# Altium PCB 3-as-manufactured.PcbDoc (part 13 of 16)
Units mil, origin at the board's own origin, x right, y up, seen from the top; angles counter-clockwise.
Board outline 4130.55 x 4250 mil, 8 copper layers (L1_TOP, L2_GND, L3_INT, L4_PWR, L5_PWR, L6_INT, L7_GND, L8_BOT), stack 61 mil thick; 584 components, 489 nets, 2229 pads, 1894 vias.
Unrouted connection lines stored in the file: 4.
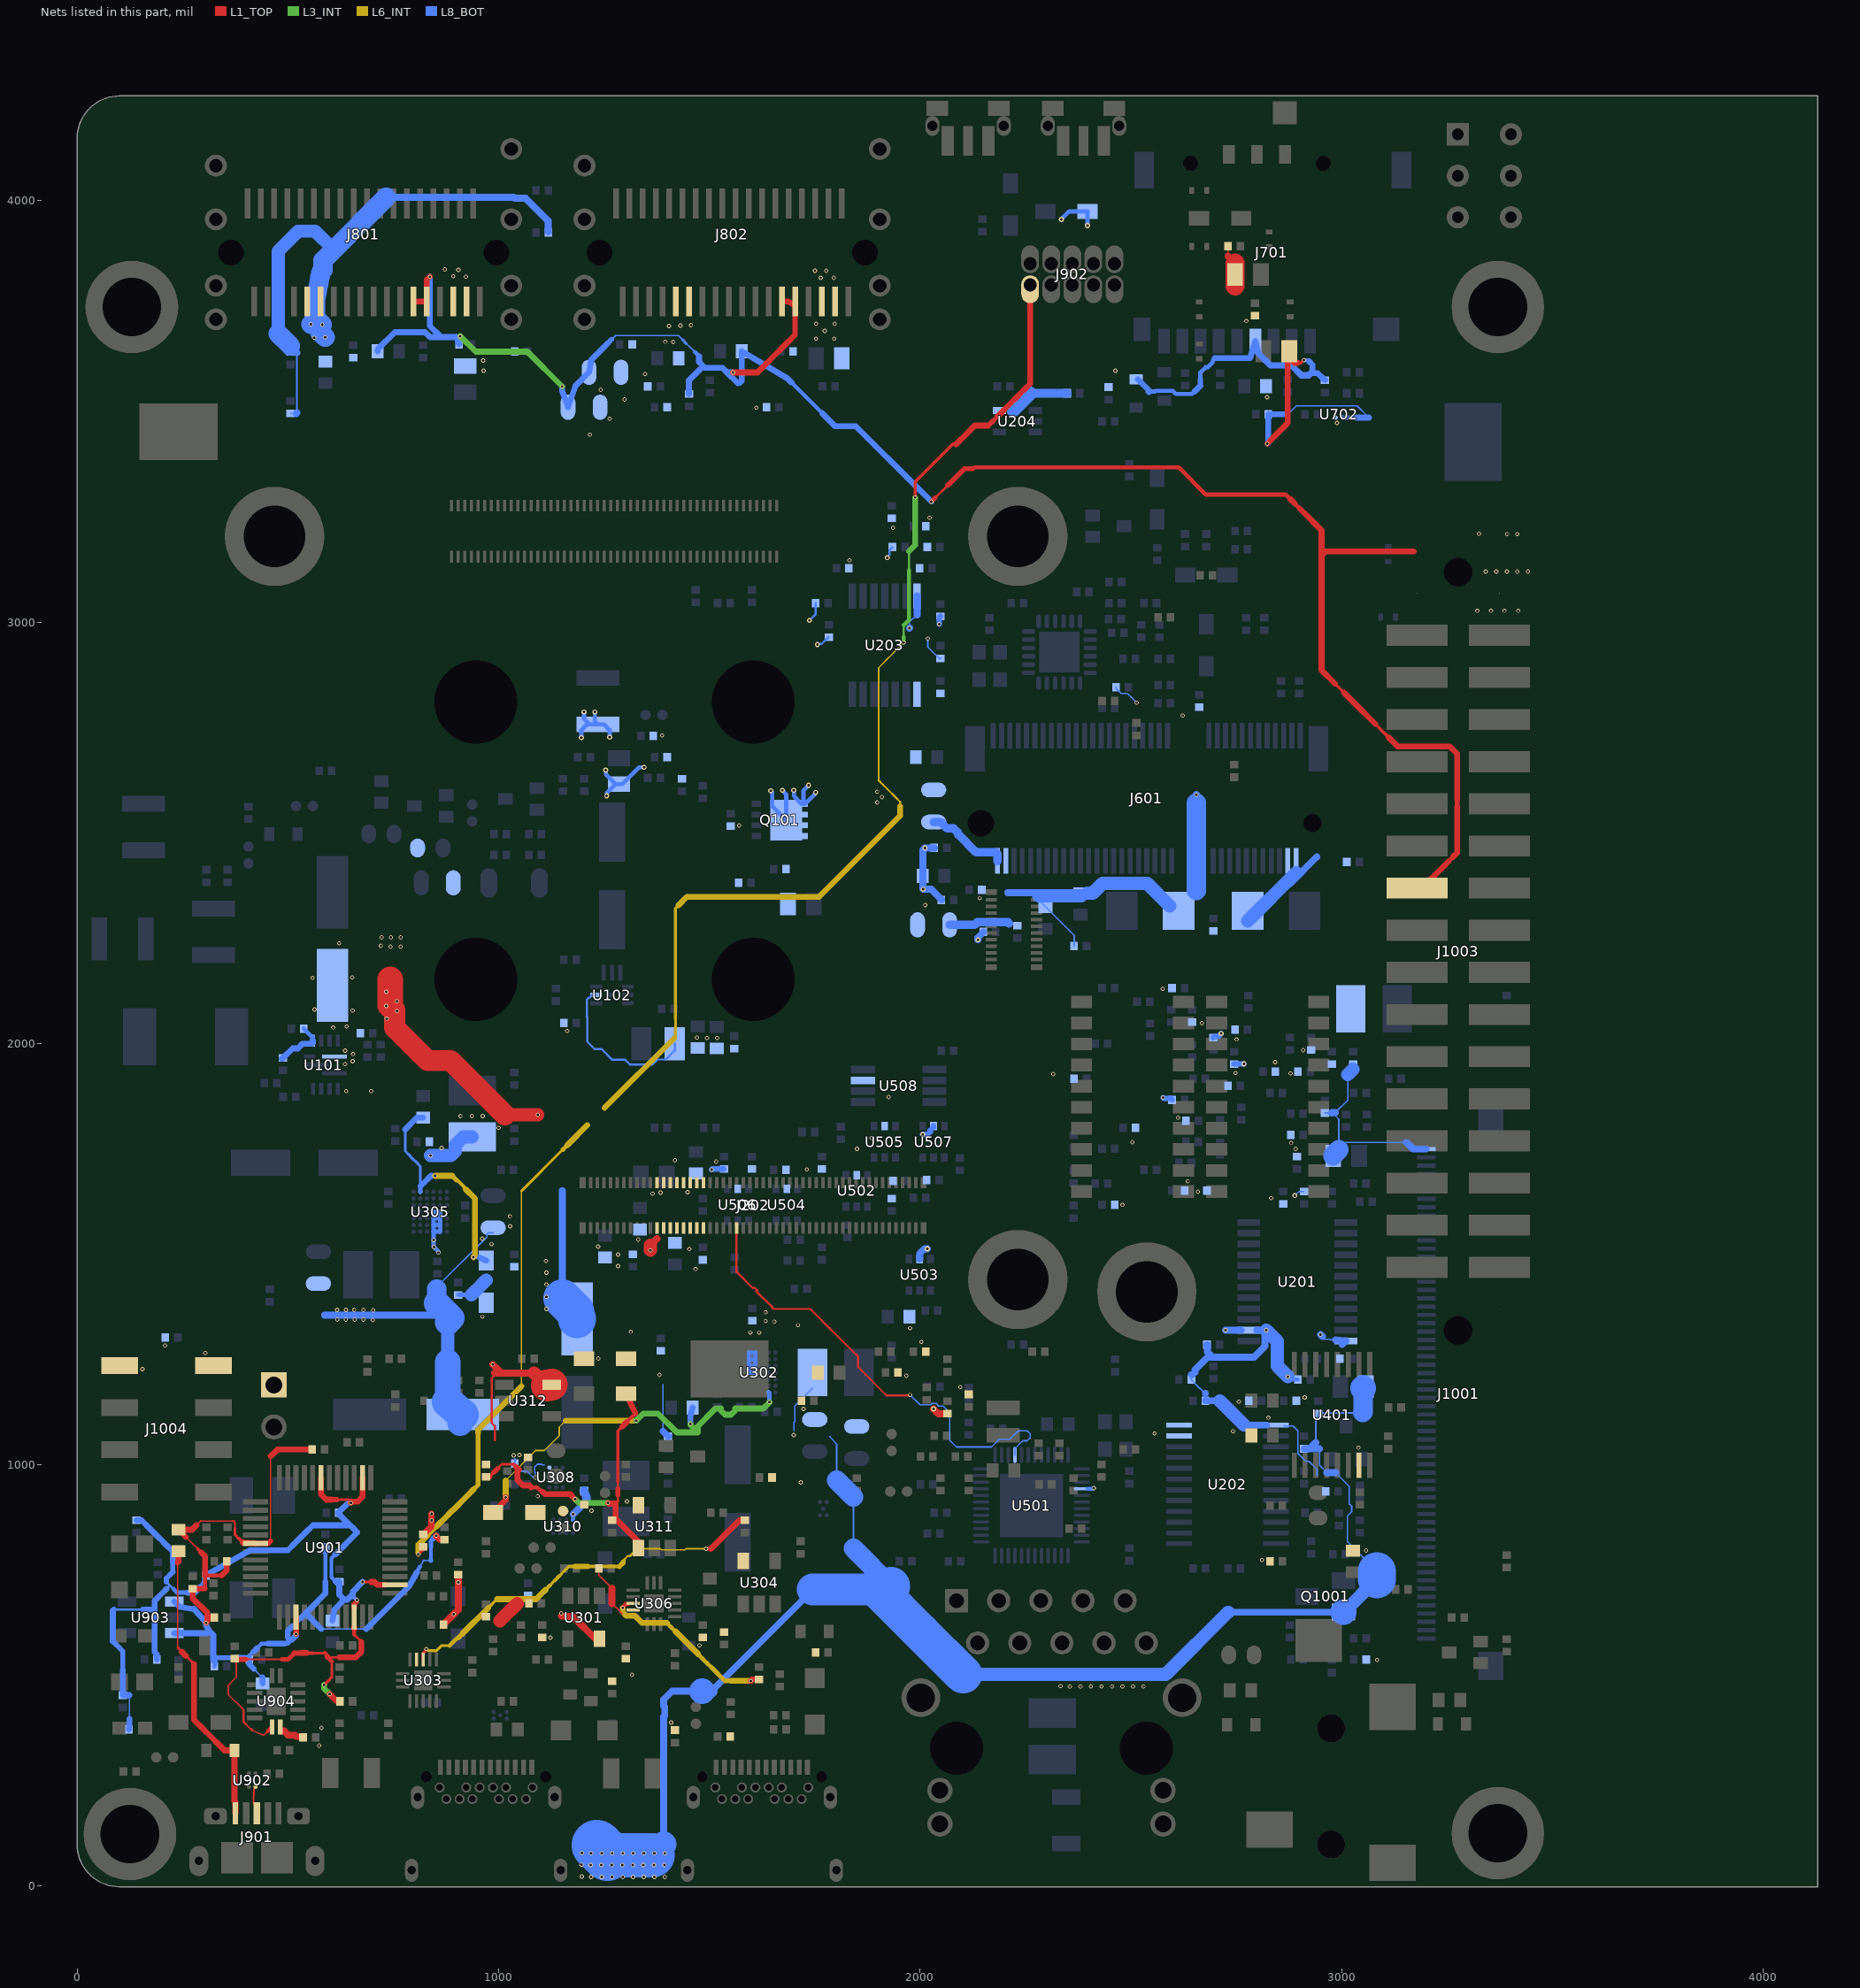
[diagram p19: the nets of this part, all layers, seen from the top]

## Via types
v1: diameter 10, hole 5.9, L1_TOP to L8_BOT, tented both sides, 1703 vias
v2: diameter 12, hole 5.9, L1_TOP to L8_BOT, tented both sides, 110 vias
v3: diameter 10, hole 6, L1_TOP to L8_BOT, tented both sides, 69 vias
v4: diameter 12, hole 6, L1_TOP to L8_BOT, tented both sides, 12 vias

## Nets (pads, with @x,y where several pads share a name; then routed paths per layer and width w, separated by ;. In a path a pad name is that pad's centre, name@x,y a point inside that pad or via, vN(x,y) a via of type N, cw(c..) or ccw(c..) an arc to the next point about the centre after c; other vN are vias at no path point) (continued)
USB_DBG_DP: J901.3 U902.A1 | length 66.4
  L1_TOP w3.5: 417.96,195.9 417.96,212.88 419.13,214.05 419.13,230.74 422.76,234.36 U902.A1@422.75,236.04 ; J901.3@418.98,196.18 422.06,186.21 J901.3@426.13,173.02
USB_LD_NFLT1: R340.1 U303.11 | length 919.6
  L1_TOP w7.92: U303.11@820.77,537.74 820.77,553.84 827.84,560.91 v1(827.84,563.19)
  L1_TOP w8.94: v1(1492.09,801) 1503.17,801
  L1_TOP w14.05: 1503.17,801 1570.69,868.52 R340.1@1583.84,868.53
  L6_INT w3.5: 1328.28,801 1383.35,801 1386.11,798.25 1441.19,798.25 1443.94,801 v1(1492.09,801)
  L6_INT w4.85: 1294.96,769.38 1298.54,772.95 1298.54,776.26 1305.74,783.47 1307.19,783.47 ; 1317.73,790.46 1328.28,801
  L6_INT w5.87: 1307.19,783.47 1310.74,783.47 1317.73,790.46
  L6_INT w6.9: v1(827.84,563.19) 828.68,563.19 832.99,558.88 852.02,558.88 863.98,570.84 883.02,570.84 ; 985.46,671.07 995.7,681.31 ; 1121.75,714.54 1132.83,725.61 ; 1143.9,736.69 1154.97,747.76
  L6_INT w7.92: 975.21,660.83 985.46,671.07 ; 1154.97,747.76 1166.05,758.83 1181.05,758.83 ; 1211.07,758.83 1286.11,758.83
  L6_INT w8.94: 1110.68,703.47 1121.75,714.54 ; 1132.83,725.61 1143.9,736.69
  L6_INT w9.96: 883.02,570.84 901.29,589.12 903.5,589.12
  L6_INT w12.01: 903.5,589.12 913.75,599.36 ; 1286.11,758.83 1294.96,767.68 1294.96,769.38
  L6_INT w13.03: 1181.05,758.83 1211.07,758.83
  L6_INT w14.05: 913.75,599.36 975.21,660.83 ; 995.7,681.31 1088.52,681.31 1099.6,692.39 ; 1099.61,692.39 1110.68,703.47
USB_LD_NFLT2: R341.1 U306.11 | length 420.6
  L1_TOP w9.96: v1(1294.06,660.63) 1294.07,661.78 1302.46,670.16 U306.11@1307.96,670.16
  L1_TOP w14.05: v1(1597.93,487.34) 1600.97,490.37 R341.1@1617.01,490.38
  L6_INT w9.96: 1398.96,625 1408.9,615.06 1419.55,604.41 ; 1472.76,551.2 1483.41,540.55 1494.05,529.91 1504.69,519.27
  L6_INT w10.99: 1504.69,519.27 1536.62,487.34 1551.95,487.34
  L6_INT w14.05: v1(1294.06,660.63) 1294.06,650.23 1302.29,642 1322.89,642 1339.89,625 1398.96,625 ; 1419.55,604.41 1472.76,551.2 ; 1551.95,487.34 v1(1597.93,487.34)
VBUS2_TH: C341.1 D311.C R343.2 U311.1 | length 804.9
  L1_TOP w5.87: 997.38,991.68 1007.31,1001.61 ; 1282.7,913.4 1282.7,928.61 ; 1282.7,943.83 1282.7,959.04
  L1_TOP w6.9: R343.2@977.52,971.83 987.45,981.76 ; 1007.31,1001.61 1034.55,1001.61 ; 1277.25,907.96 1282.7,913.4
  L1_TOP w7.92: 1282.7,959.04 1282.7,1080.74 1292.96,1091 ; 1313.48,1111.52 1323.74,1121.78
  L1_TOP w8.94: 1034.55,1001.61 1041.11,995.05 ; 1303.22,1101.26 1313.48,1111.52
  L1_TOP w9.96: 1076.75,946.53 1090.68,946.53 1098.61,938.6 1101.53,938.6 1105.11,935.02
  L1_TOP w10.99: 1173.87,925.63 v1(1180.91,918.59) ; 1282.7,928.61 1282.7,943.83
  L1_TOP w12.01: 987.45,981.76 997.38,991.68
  L1_TOP w13.03: 1041.11,995.05 1047.68,988.48 ; v1(1259.1,909.52) v1@1260.66,907.96
  L1_TOP w14.05: R343.2@970.06,971.82 R343.2@977.52,971.83 ; 1047.68,988.48 1043.95,984.75 1043.95,964.79 1057.71,951.03 1072.25,951.03 1076.75,946.53 ; 1105.11,935.02 1109.27,930.86 1168.64,930.86 1173.87,925.63 ; v1@1260.66,907.96 1277.25,907.96 1277.25,877.12 C341.1@1268.65,868.53 1280.82,868.52 1331.69,817.66 U311.1@1331.69,802.55 ; 1292.96,1091 1303.22,1101.26 ; D311.C@1302.07,1169.2 1323.74,1121.78
  L3_INT w14.05: v1(1180.91,918.59) 1189.99,909.52 v1(1259.1,909.52)
VBUS_DBG: J901.1 L901.1 TVS901.2 | length 693.5
  L1_TOP w3.5: 237.76,566.17 237.76,674.84 237.76,767.98
  L1_TOP w5.87: 237.76,566.17 247.71,556.22 ; 257.67,546.26 267.62,536.31 276.77,527.16
  L1_TOP w13.03: 298.09,373.6 318.61,353.08 328.86,342.82
  L1_TOP w14.05: 237.76,767.98 240.16,770.38 L901.1@240.16,794.98 ; 247.71,556.22 257.67,546.26 ; 276.77,527.16 276.77,394.92 298.09,373.6 ; 328.86,342.82 349.38,322.3 TVS901.2@372.82,322.3 372.83,201.66 374.96,199.53 J901.1@374.95,173.02
VBUS_EXT: C1001.1 C1002.1 J1001.1 R1001.2 R1027.2 R1028.2 | length 476.2
  L8_BOT w3.5: C1002.1@2960.67,1835.1 2975.87,1835.1 ; 2977.25,1836.47 2993.37,1820.34 2993.37,1771.02 ; 2985.4,1836.47 3014.57,1865.64 3014.57,1926.3 ; R1001.2@2993.37,1747.92 2993.37,1771.02 ; 3153.87,1765.23 2999.15,1765.23 2993.37,1771.02
  L8_BOT w16.55: 2975.87,1835.1 2977.24,1836.47 2985.4,1836.47 ; 3153.87,1765.23 3169.62,1749.49 J1001.1@3200.73,1749.5
  L8_BOT w31.31: 3014.57,1926.3 3027.05,1938.78
  L8_BOT w46.08: R1001.2@2980.08,1733.43 2980.72,1735.27 R1001.2@2993.37,1747.92
VBUS_IN: C101.1 C105.1 C304.1 C305.1 C1004.1 J101.1 Q1001.2 R101.1 R137.1 R315.2 R316.2 R323.2 R325.2 R1029.1 R1034.1 U101.1 | length 5349.3
  L1_TOP w31.31: 1014.16,1830.84 v1(1092.56,1830.84)
  L1_TOP w50: 742.3,2090.7 752.85,2080.15 752.85,2037.87 831.05,1959.67 885.33,1959.67 1014.16,1830.84
  L1_TOP w60.85: 742.3,2090.7 742.3,2100 742.3,2152.38
  L8_BOT w3.5: 853.01,1416.79 853.01,1422.37 971.42,1540.79 971.42,1548.29 973.56,1550.43 R323.2@986.65,1550.43 ; 1785.94,1066.54 1801.71,1049.41 1801.71,963.75 ; 1841.54,801.87 1841.54,923.92 ; R1029.1@2911.32,1038.1 R1029.1@2910.92,1038.23 2929.36,1043.77 ; 2938.88,1053.3 2938.88,1105.54 2944.09,1110.75 2944.09,1121.24 2946.08,1123.22 3049.01,1123.22 3049.65,1123.87 ; 2947.43,1038.1 2947.43,998.99 2964.96,981.46 ; 2985.61,981.45 2985.79,981.45 3018.24,948.99 3018.24,907.74 3023.62,902.37 3023.62,888.64 3013.57,878.6 3013.57,817.67 3083.39,747.84
  L8_BOT w16.55: 586.53,1355.58 617,1355.58 679,1355.58 881.13,1355.58 ; C305.1@1150.44,1395.14 1150.44,1650.87 ; 1391.45,100.02 1391.45,402.41 1393.78,404.74 1393.78,425.26 1391.45,427.59 1391.45,443.21 1410.79,462.56 1483,462.56 ; 1503.88,462.56 1745.41,704.09 ; 2730.47,650.36 Q1001.2@3004.18,650.36 ; R1029.1@2911.32,1038.1 2947.43,1038.1 ; 2929.36,1043.77 2938.88,1053.3 ; 2964.96,981.46 2985.61,981.46
  L8_BOT w31.31: 878.74,1244 878.74,1338.96 ; 1483,462.56 1503.88,462.56 ; 2101.57,502.83 2582.94,502.83 2730.47,650.36 ; Q1001.2@3005.29,650.36 3083.39,728.46
  L8_BOT w46.08: 853.01,1383.69 853.01,1416.79 ; 1801.71,963.75 1841.54,923.92 ; 1841.54,801.87 1931.16,712.25 ; 3049.65,1123.87 3051.02,1125.23 R1034.1@3051.02,1181.77
  L8_BOT w60.85: 853.01,1383.69 881.13,1355.58 888.25,1348.46 878.75,1338.96 ; C304.1@878.74,1149.03 878.74,1244 ; C304.1@907.86,1099.02 C304.1@914.57,1119.4 ; 1364.35,72.92 1391.45,100.02 ; Q1001.2@3004.21,650.35 Q1001.2@3005.29,650.36
  L8_BOT w75.61: C304.1@878.74,1149.03 C304.1@914.57,1119.4 ; 1745.41,704.09 1900.32,704.09 1923.01,704.09
  L8_BOT w90.38: C305.1@1150.44,1395.14 1180.86,1364.71 C305.1@1185.71,1346 ; 1900.32,704.09 2000.94,603.46 2101.57,502.83 ; 1923.01,704.09 1931.16,712.24 ; 3083.39,728.46 3083.39,747.84
  L8_BOT w105.14: 1257.6,72.92 1293,72.92 1294,72.92 1343,72.92 1364.35,72.92
  L8_BOT w119.91: 1232.79,97.73 1248.26,82.26 1249.26,81.26 1257.6,72.92
  other v1: 1219,22 1244,22 1269,22 1294,22 1319,22 1344,22 1369,22 1394,22 1197,23 1218,50 1243,50 1268,50 1293,50 1318,50 1343,50 1368,50 1393,50 1196,51 1219,78 1244,78 1269,78 1294,78 1319,78 1344,78 1369,78 1394,78 1197,79 2355,474 2380,474 2405,474 2430,474 2455,474 2480,474 2505,474 2530,474 2333,475 701,1344 617,1345 637,1345 658,1345 679,1345 702,1367 616.58,1368.12 637.58,1368.12 657,1368 679,1368 1113,1370 1113,1399 1113,1428 1113,1456 1112,1484 638,1887 697,1887 635,1951 653,1958 654,1975 635,1983 607,2038 639.11,2040.31 734,2059 758,2077 653.26,2078.26 562.96,2080.96 733,2089 758,2100 733,2123 558,2156 652,2157 743,2230 767,2230 720,2232 621.09,2237.64 721.77,2252.13 744,2252 767,2252
  other v3: 983,1524 961,1537 1027.08,1566.44 1026.51,1589.77
VBUS_USB_DBG: C901.1 C903.1 C905.1 C910.1 C911.1 C912.1 L901.2 R904.1 R924.1 R926.1 U901.3 U901.42 U903.1 U903.3 | length 2348.7
  L1_TOP w3.5: 292.67,866.77 370.16,866.77 ; 458.6,819.02 458.6,917.63 458.6,1020.7
  L1_TOP w3.83: 257.82,828.21 284.95,801.08
  L1_TOP w4.85: 282.37,856.47 292.67,866.77 ; 370.16,866.77 373.91,863.02 373.91,848.5
  L1_TOP w5.87: 373.91,833.97 373.91,848.5
  L1_TOP w6.9: 373.91,833.97 383.05,824.83
  L1_TOP w7.92: 284.95,801.08 294.09,791.94 ; 383.05,824.83 392.2,815.68
  L1_TOP w8.94: 303.24,737.44 342.04,737.44
  L1_TOP w9.96: 303.24,706.76 303.24,737.44
  L1_TOP w12.01: 302.68,706.2 303.24,706.76 ; U901.42@434.18,813.68 453.27,813.68 458.6,819.02
  L1_TOP w13.03: L901.2@248.99,837.04 257.82,828.21 ; 288.12,706.2 302.68,706.2 ; U901.42@422.4,813.69 U901.42@434.18,813.68
  L1_TOP w14.05: L901.2@248.99,837.04 240.16,845.87 L901.2@240.16,846.16 272.06,846.16 282.37,856.47 ; 288.12,706.2 C903.1@273.34,706.2 273.35,683.74 308.54,648.55 308.54,641.06 ; 294.09,791.94 303.24,782.79 303.24,737.44 ; v1(305.66,625.15) 308.54,628.02 308.54,641.06 ; C901.1@324.94,637.95 311.64,637.95 308.54,641.06 ; 342.05,737.44 354.47,749.86 R926.1@354.46,770.76 ; 392.2,815.68 392.4,815.68 U901.42@422.4,813.69 ; 458.6,1020.7 474.28,1036.38 R904.1@557.19,1036.38 ; v1@518.96,598.84 U901.3@518.96,638.35 ; v1(851.35,831.81) 851.35,829.42 858.35,822.42 R924.1@870.53,822.41
  L8_BOT w3.5: 578.9,610.3 624.11,610.3 624.17,610.36 658.89,610.36 658.95,610.3 685.69,610.3
  L8_BOT w3.83: 418.33,515.81 438.88,495.26 ; 812.91,758.22 820.38,771.54 ; 822.08,773.24 838.36,773.24
  L8_BOT w4.85: 820.38,771.54 822.08,773.24
  L8_BOT w8.94: C910.1@407.33,546.32 417.06,556.06 ; 426.8,565.79 436.53,575.53 452.07,575.53 ; 588.55,722.45 588.55,791.9 ; 838.7,773.58 838.7,803.86
  L8_BOT w9.96: C905.1@324.94,521.74 328.06,532.13 326.06,532.13 ; 491.29,575.53 499.42,575.53 ; 499.42,590.53 499.42,575.53 ; 509.2,585.31 499.42,575.53 ; 520.48,626.59 531.01,637.12 ; 805.44,744.9 812.91,758.22 ; 838.7,803.86 838.7,819.16 845.02,825.48
  L8_BOT w10.99: C910.1@407.33,546.32 C910.1@407.89,538.35 ; 509.95,616.06 520.48,626.59
  L8_BOT w12.01: 329.08,542.16 370.2,542.16 ; 838.36,773.24 838.7,773.58
  L8_BOT w13.03: 383.9,542.16 397.61,542.16 C910.1@407.88,538.35 ; 407.89,526.25 418.33,515.81 ; 417.06,556.06 426.8,565.79
  L8_BOT w14.05: U903.3@229.91,600.55 306.91,600.55 312.65,606.3 ; U903.1@229.91,675.35 242.4,662.88 276.79,658 v1@302.65,629.04 ; v1(305.66,625.15) v1@302.98,627.83 ; 322.55,535.63 322.55,596.39 312.65,606.3 ; 326.06,532.13 322.56,535.63 329.08,542.16 ; 370.2,542.16 383.9,542.16 ; 407.89,526.25 C910.1@407.89,538.35 ; 438.88,495.26 439.21,494.93 C912.1@439.23,480.92 ; 452.07,575.53 491.29,575.53 ; 499.42,590.53 499.42,605.53 509.95,616.06 ; 509.2,585.31 518.98,595.09 v1(518.98,598.82) ; 531.01,637.12 541.54,647.65 ; 578.9,610.3 541.54,647.65 ; 588.55,722.45 588.55,694.66 554.12,660.24 541.54,647.65 ; 588.55,791.9 C911.1@588.52,805.81 ; 685.69,610.3 786.49,711.09 790.5,718.26 797.97,731.58 805.44,744.9 ; 845.02,825.48 v1(851.35,831.81) ; v1@302.65,629.04 v1@302.98,627.83 ; v1@302.65,629.04 302.65,628.16 v1@302.98,627.83 ; v1@302.98,627.83 303.87,624.64 305.36,619.31 306.78,616.99 312.65,606.3
VCC: J902.1 R920.2 | length 3819.4
  L1_TOP w5.87: v1(809.18,787.17) 814.96,792.95 R920.2@820.67,798.66
  L1_TOP w7.92: v1(1988,3295.82) 1988,3333 2015,3360 2077.26,3422.26 2085.26,3422.26
  L1_TOP w9.96: R920.2@820.67,798.66 R920.2@820.67,805.59 ; 2172.63,3477.47 2183.67,3488.51
  L1_TOP w12.01: 2161.59,3466.43 2172.63,3477.47
  L1_TOP w14.05: R920.2@820.67,805.59 R920.2@820.76,805.81 ; 2085.26,3422.26 2113,3450 2129.43,3466.43 2161.59,3466.43 ; 2183.67,3488.51 2216.8,3521.64 2227.84,3532.68 2238.88,3543.72 2249.92,3554.76 2260.96,3565.81 J902.1@2260.96,3790.18
  L3_INT w4.85: 1960.95,2965.37 1960.95,2992.94 ; 1973.37,3123.71 1973.37,3168.09
  L3_INT w8.94: v1(1960.95,2951.71) 1960.95,2965.37
  L3_INT w9.96: 1960.95,2992.94 1967.16,2999.15 1973.37,3005.37 1973.37,3123.71
  L3_INT w13.03: 1987.86,3229.78 1987.86,3261.24
  L3_INT w14.05: 1973.37,3168.09 1987.86,3182.58 1987.86,3229.78 ; 1987.86,3261.24 1987.86,3292.86 1988,3293 v1(1988,3295.82)
  L6_INT w3.5: 1053.54,1186.56 1053.54,1649.83 ; 1901.28,2624.58 1901.28,2891.91 1911.22,2901.85 1921.17,2911.8 1931.11,2921.74 1941.06,2931.69 1951,2941.63 1960.95,2951.58 v1(1960.95,2951.71)
  L6_INT w4.85: 1901.28,2624.58 1911.5,2614.36 1921.72,2604.14 1942.16,2583.7 1952.38,2573.48 1952.38,2562.56
  L6_INT w5.87: 1053.54,1649.83 1152.34,1748.62
  L6_INT w6.9: 1419.1,2038.32 1419.62,2038.83 1419.62,2057.89 1419.1,2058.4 1419.1,2068.89 ; 1419.1,2298.14 1419.1,2321.05 1426.76,2328.7
  L6_INT w7.92: 1415.78,2012.06 1419.1,2015.39 1419.1,2038.32 ; 1419.1,2068.89 1419.1,2298.14
  L6_INT w9.96: v1(809.18,787.17) v1@809.18,791.06
  L6_INT w10.99: 831,832.45 841.9,843.35 852.8,854.25 ; 940.01,941.46 950.91,952.36 950.91,1077.24 ; 1152.34,1748.62 1163.31,1759.59
  L6_INT w14.05: v1@809.19,791.07 809.19,810.64 831,832.45 ; 852.8,854.25 874.6,876.05 885.5,886.95 896.4,897.85 918.21,919.66 929.11,930.56 940.01,941.46 ; 950.91,1077.24 950.91,1083.92 1053.54,1186.56 ; 1163.31,1759.59 1209.86,1806.14 ; 1251.13,1847.41 1415.78,2012.06 ; 1426.76,2328.7 1446.11,2348.05 1759.69,2348.05 1952.38,2540.75 1952.38,2562.56
VCC_3V3_FT: C906.1 C913.1 C914.1 C915.1 R902.2 R903.2 R915.2 R916.2 R927.2 R928.2 U901.10 U901.14 U901.26 U901.31 U904.14 | length 2843.4
  L1_TOP w3.5: C915.1@377.1,532.62 377.1,496.04 358.25,477.19 358.25,454.8 394.02,419.03 394.02,417.45
  L1_TOP w3.83: 399.1,538.6 485.76,538.6 ; 415.16,369.79 441.76,357.82 451.7,367.77
  L1_TOP w4.85: 394.02,417.45 394.02,390.37 411.32,373.07 411.88,373.07 414.03,370.92 ; 594.16,543.16 620.92,543.16 ; 661.83,912.7 665.93,912.7 671.43,912.7 671.43,919.21
  L1_TOP w5.87: 414.03,370.92 415.16,369.79 ; 603.61,508.28 603.61,520.99 ; 615.68,917.37 628.22,917.37 ; 656.85,597.14 673.85,580.14
  L1_TOP w6.9: 558.41,553.38 587.36,553.38 ; 594.53,486.5 603.61,495.58 603.61,508.28 ; 603.61,520.99 603.61,533.7 ; 628.22,917.37 636.76,917.41 645.3,917.46 650.32,916.55 654.41,915.8 664.71,913.93 ; v1(676.56,722.16) 696.48,722.16
  L1_TOP w7.92: 543.93,553.38 558.41,553.38 ; v1(585.46,477.42) 594.53,486.5 ; v1@663.2,675 v1(663.2,678.88)
  L1_TOP w8.94: 451.7,367.77 U904.14@461.65,377.71
  L1_TOP w9.96: 587.36,553.38 593,547.74 593,544.31 ; 594.16,543.16 603.61,533.7 ; 656.85,597.14 U901.10@656.85,610.88
  L1_TOP w10.99: 485.76,538.6 500.2,538.6 514.98,553.38 ; 656.85,668.65 v1@663.2,675
  L1_TOP w12.01: 603.14,917.37 615.68,917.37
  L1_TOP w13.03: C915.1@376.36,538.6 378.13,538.6 399.1,538.6 ; 514.98,553.38 529.45,553.38 ; 593,544.31 594.16,543.16 ; v1@652.22,912.7 661.83,912.7 ; 664.71,913.93 665.93,912.7 ; 696.48,722.16 696.89,722.16
  L1_TOP w14.05: C915.1@372.87,540.18 C915.1@378.13,538.6 ; 529.45,553.38 543.93,553.38 ; U901.31@578.05,969.34 578.05,929.91 590.59,917.37 603.14,917.37 ; v1@598.37,456.24 615.87,438.74 R927.2@623.52,438.74 ; 620.92,543.16 660.36,543.16 673.85,556.66 673.85,580.14 ; v1(649.04,909.52) v1@652.22,912.7 ; U901.10@656.85,610.88 U901.10@656.85,615.36 ; U901.10@656.85,661.31 656.85,668.65 ; 671.43,919.21 676.56,924.33 U901.26@676.55,969.34 ; 696.89,722.16 704.79,722.16 711.77,715.18 U901.14@730.43,715.18
  L3_INT w14.05: v1(585.46,477.42) 585.46,469.16 v1(598.37,456.24)
  L8_BOT w3.5: 123.66,396.56 123.66,453.48
  L8_BOT w4.85: 86.68,656.31 155.58,656.31
  L8_BOT w5.87: 211.24,722.29 219.64,713.89 ; 211.91,706.16 219.64,713.89 ; 228.19,705.33 219.64,713.89 ; 298.39,723.97 R928.2@304.69,737.56
  L8_BOT w6.9: 292.07,710.37 298.39,723.97
  L8_BOT w8.94: 612.15,787.64 602.8,778.29 602.8,733.17 C913.1@613.15,722.82 ; 653.88,688.2 v1(663.2,678.88)
  L8_BOT w9.96: 228.19,705.33 236.75,696.77 261.25,696.77
  L8_BOT w10.99: 226.14,757.86 226.14,770.06
  L8_BOT w12.01: 91.99,573.51 99.71,565.78 107.44,558.05 107.44,513.24 ; 193.67,687.92 204.19,698.44 ; 211.24,722.29 211.24,730.76 218.69,738.21 ; 226.14,745.66 226.14,757.86
  L8_BOT w13.03: 152.07,868.52 162.65,857.94 ; 194.39,826.2 204.98,815.62 ; 215.56,805.04 226.14,794.45 226.14,770.06 ; 218.69,738.21 226.14,745.66 ; 499.21,797.03 509.16,806.98 ; 548.97,846.79 558.92,856.74
  L8_BOT w14.05: 86.68,656.31 84.26,653.89 84.26,581.24 91.99,573.51 ; 107.44,513.24 R915.2@107.46,453.49 123.66,453.48 ; R902.2@122.22,372.33 123.66,382.32 123.66,396.55 ; R916.2@140.63,868.53 152.07,868.52 ; 155.58,656.31 183.14,656.31 ; 162.65,857.94 173.23,847.36 183.81,836.78 194.39,826.2 ; R903.2@188.57,538.34 188.56,550.51 183.14,555.93 183.14,656.3 ; 193.67,687.92 183.15,677.4 183.15,656.31 ; 204.19,698.44 211.91,706.16 ; 204.98,815.62 215.56,805.04 ; 261.25,696.77 278.48,696.77 292.07,710.36 ; R928.2@304.69,737.56 408.83,797.02 499.21,797.03 ; 509.16,806.98 519.12,816.94 529.07,826.89 539.02,836.84 548.97,846.79 ; 558.92,856.74 647.1,856.74 ; C906.1@605.11,630.34 609.76,656.53 633.37,680.14 ; 612.15,787.64 664.17,839.66 ; C913.1@613.15,722.82 C913.1@621.7,722.8 621.69,691.82 633.37,680.14 ; v1(649.04,909.52) 642.41,909.52 C914.1@619.87,886.97 619.86,883.97 647.1,856.74 ; 653.88,688.2 653.88,693.53 ; v1(676.56,722.16) 653.88,699.48 653.88,693.53 ; 633.37,680.14 640.5,680.14 653.88,693.53 ; 647.1,856.74 648.72,855.12 ; 648.72,855.12 651.74,852.1 664.17,839.66 ; 648.72,855.12 664.17,839.66
VCC_3V6: C114.1 R107.1 U101.9 | length 133.3
  L8_BOT w9.87: C114.1@537.2,2035.45 U101.9@557.09,2015.56
  L8_BOT w11.95: U101.9@557.09,2015.56 558.15,2014.51 U101.9@558.15,2007.54
  L8_BOT w14.05: R107.1@484.38,1963.9 486.38,1963.9 510.97,1988.49 523.49,1988.49 534.59,1999.59 557.09,1999.59 559.12,2001.62 U101.9@559.12,2006.56 U101.9@558.15,2007.54
VDD_1V8: C201.1 C204.1 C205.1 C206.1 C213.1 C214.1 C218.1 C219.1 C221.1 C520.1 C521.1 C522.1 C525.1 C526.1 C527.1 C801.1 C802.1 C805.1 C813.1 C916.1 D907.A J202.22 J202.24 J202.26 J202.28 J202.30 J202.32 J202.34 J202.36 J801.A5 J801.A6 J802.A5 J802.A6 L601.2 L602.1 R201.1 R203.1 R205.1 R207.1 R209.1 R214.1 R536.1 R604.1 R623.1 R624.1 R801.1 R802.1 R803.1 R804.1 R805.1 R806.1 R917.1 R918.1 R920.1 R1101.2 R1103.2 R1105.2 R1107.2 U201.2 U202.1 U203.1 U204.5 U502.5 U503.5 U504.5 U505.5 U506.5 U507.5 U904.1 | length 3511
  L1_TOP w10: U904.1@481.46,377.71 481.46,370.76 U904.1@484.24,367.99
  L1_TOP w15: R920.1@820.76,835.33 821.76,835.33 840.35,853.91 v1(840.35,868) ; v1@840,868 840,883.82 v1(840.35,884.17)
  L1_TOP w16.55: U904.1@484.24,367.99 490.7,367.99 500.19,358.49 516.16,358.49 519.31,355.34 534.79,355.34 535.51,354.61 C916.1@535.51,353.61 ; R918.1@869.43,623.07 870.43,623.07 v1(893.11,645.76) 904,656.64 v1(904,720.95) ; v1@903.7,720.95 R917.1@903.71,739.4 ; 1359.57,1520.97 1375.3,1536.69 ; v2(2031.64,1132.73) 2031.99,1132.39 2043.13,1121.24 R536.1@2064.91,1121.24
  L1_TOP w31.31: v1(1359.57,1509.22) 1359.57,1520.97
  L8_BOT w3.5: R804.1@505.58,3495.26 519.34,3495.26 ; 505.59,3655.87 C802.1@505.58,3640.99 519.3,3641 ; 520.91,3496.82 520.91,3639.4 ; 2643.68,1213.99 2643.68,1201.4 2663.39,1181.69 2664.38,1181.69 2676.85,1169.23 C205.1@2676.85,1152.6 ; 2645.77,1213.99 2651.79,1220.01 2687.54,1255.76 ; R209.1@2680.51,1285.41 2681.24,1282.98 2687.54,1262.02 ; U202.1@2863.39,1093.03 2864.14,1092.28 2884.51,1092.28 2890.81,1085.98 2890.81,1085.76 2896.17,1080.4 2896.17,1027.26 2915.36,1008.07 2922.51,1008.07 2941.71,988.87 2941.71,975.04 ; v2(2889,1639) 2898.8,1648.8 R1107.2@2910.92,1648.8 R1107.2@2907.42,1648.8
  L8_BOT w5: v2(1737,3004) 1751.55,3018.55 R205.1@1751.55,3045.18 ; v2(1756,2947) 1757.34,2948.34 1766.23,2948.34 1781.9,2964.01 R214.1@1782.9,2964.01 ; v2(1922,3153) 1922,3154.89 1927.53,3160.42 1927.53,3171.49 R201.1@1934.03,3177.99
  L8_BOT w10: v2(2335,3956) 2353.86,3974.86 D907.A@2396.91,3974.86 2397,3974.77 v2(2397,3941) ; v1(2872.66,1209.46) 2879.72,1202.4 C201.1@2896.16,1202.4
  L8_BOT w13.03: v2(2006,1784) 2017.53,1784 2023.64,1790.11 2023.64,1793.97 2031.73,1802.05 U507.5@2031.73,1804.05 ; v1(2576.21,1871.9) 2578.16,1869.95 2595.08,1869.95 2597.57,1867.47 R1105.2@2597.57,1866.47 ; R1103.2@2695.27,2014.04 2697.75,2016.52 2706.89,2016.52 v2(2714.15,2023.79) ; R1101.2@2745.04,1951.32 2768,1951.32 v2(2768.35,1951.66)
  L8_BOT w16.55: 519.3,3641 520.91,3639.4 ; 519.34,3495.26 520.91,3496.82 ; 733.01,4008.47 1035.53,4008.47 1037.78,4006.22 1063.23,4006.22 1116.79,3952.66 1116.79,3933.09 1116.8,3926.79 1117.66,3925.93 R805.1@1118.07,3925.93 ; U503.5@1998.55,1488.62 1998.82,1488.9 1998.82,1501.48 2010.24,1512.9 v2(2017,1512.9) ; R624.1@2033.56,2464.12 2011.12,2464.12 v2(2011,2464) 2006.14,2459.14 L602.1@2006.14,2397.72 2006.14,2366.86 v2(2007,2366) 2026.24,2366 2050.24,2342 R604.1@2050.24,2341 ; v2(2137,2246) 2137,2251.23 2149.68,2263.9 R623.1@2149.68,2264.9 ; 2643.68,1213.99 2645.77,1213.99 ; 2651.79,1220.01 2651.79,1225.23 2687.54,1260.97 2687.54,1262.02 ; C205.1@2676.85,1152.6 2677.45,1152 2711,1152 ; R209.1@2680.51,1285.41 2681.24,1284.69 2681.24,1282.98 2681.24,1268.32 2687.54,1262.02 ; v1@2724.45,1319.67 U201.2@2761.06,1319.67 ; 2768.69,1094.31 U202.1@2822.43,1094.31 ; U201.2@2798.51,1319.67 v1(2821.23,1319.67) 2818.06,1316.5 2818.06,1281.41 2792.16,1255.5 2726.25,1255.5 2726,1255.76 2687.54,1255.76 2687.54,1262.02